# Altium PCB betrusted_evt2b.PcbDoc (part 5 of 6) (continued)
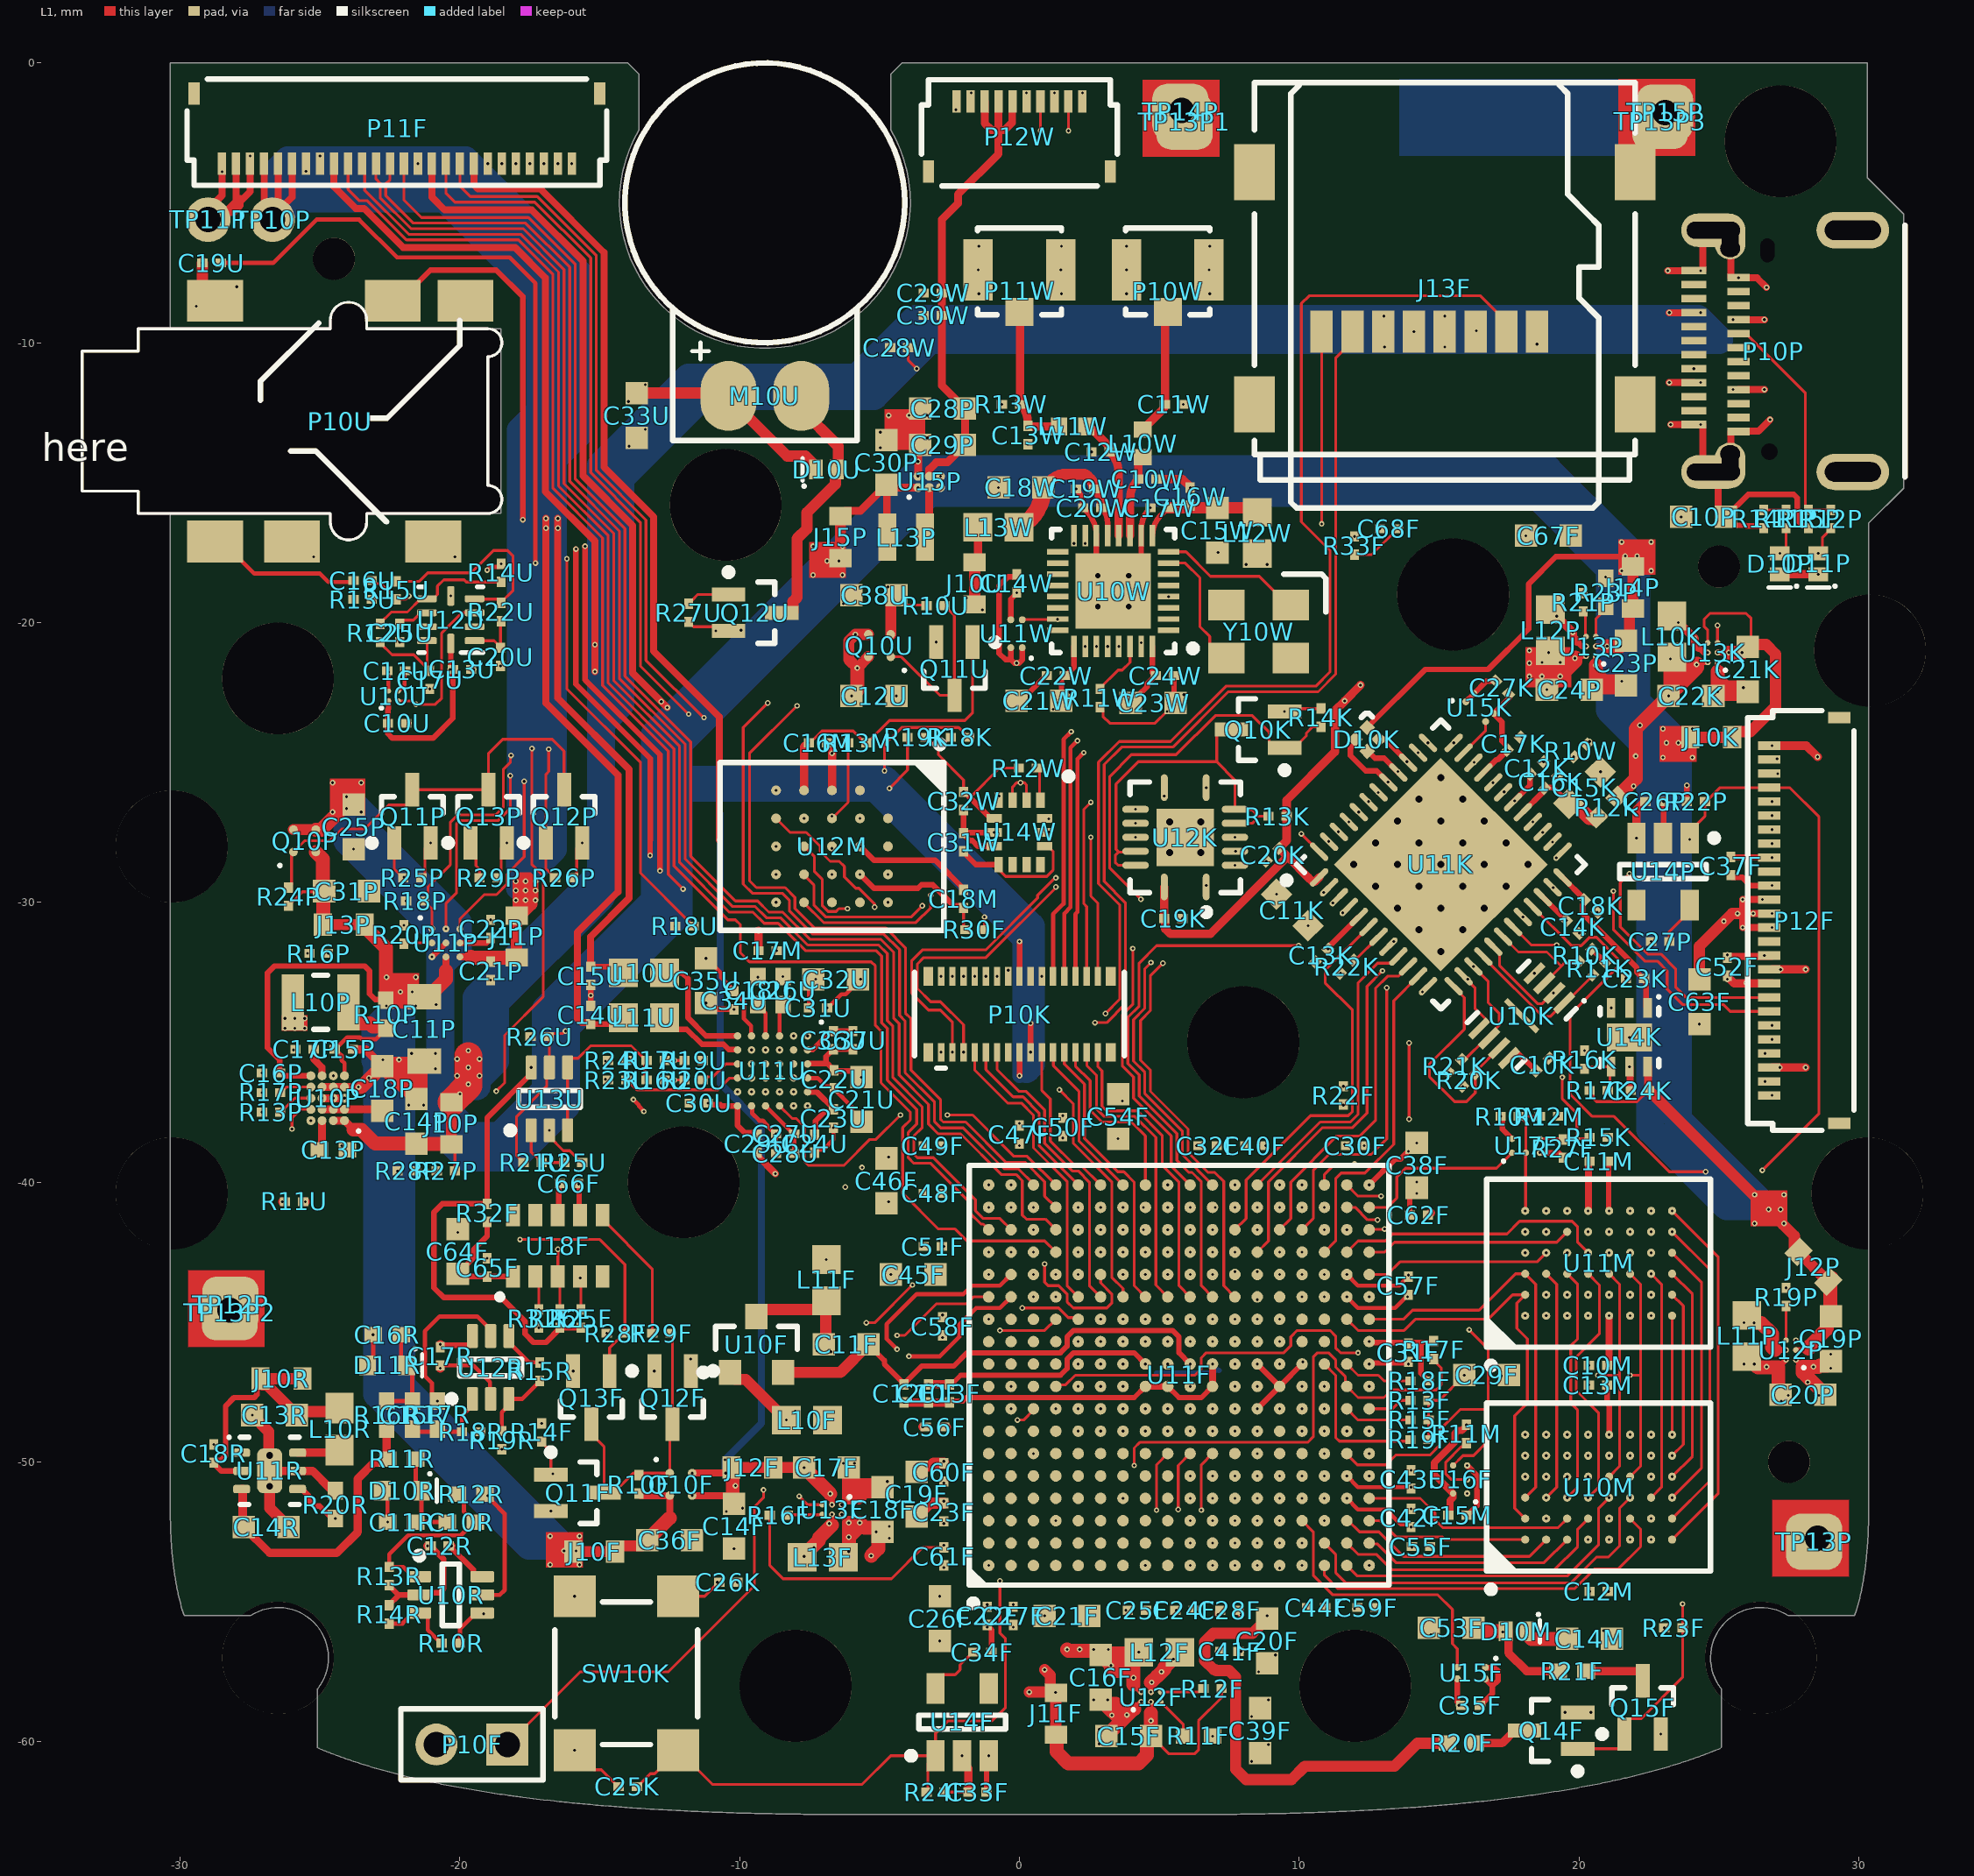
[diagram p0: L1 view]
## Nets (pads, with @x,y where several pads share a name; then routed paths per layer and width w, separated by ;. In a path a pad name is that pad's centre, name@x,y a point inside that pad or via, vN(x,y) a via of type N, cw(c..) or ccw(c..) an arc to the next point about the centre after c; other vN are vias at no path point) (continued)
  L1 w0.1: Q11P.1@-22.35,-27.875 -22.35,-28.8 -22.16,-28.99 -22.16,-29.015 -22.05,-29.125 R25P.1@-22.025,-29.125 ; J10P.1@-20.3,-38.65 -20.175,-38.775 R27P.2@-20.175,-39.6
  L1 w0.25: v2(23.225,-11.425) P10P.A4@24.1,-11.425 ; v2(23.225,-8.925) P10P.A9@24.1,-8.925 ; P10P.B9@25.7,-11.675 v2(26.625,-11.675) ; P10P.B4@25.7,-9.175 v2(26.625,-9.175) ; v1(26.9,-30.9) v1(25.85,-30.9) 25.85,-30.4 ; v1(26.9,-30.4) 25.85,-30.4 ; P12F.12@26.9,-29.9 v1(25.85,-29.9) 25.85,-30.4
  L1 w0.28: U10P.A2@-24.525,-37.8 U10P.A1@-24.125,-37.8 -23.8,-38.125
  L1 w0.4: C63F.1@24.3,-32.75 24.3,-31.575 25.475,-30.4 25.85,-30.4
  L1 w0.5: -23.8,-38.125 -23.525,-38.125 -23.025,-38.625 C14P.1@-21.55,-38.625 -21.538,-38.637 -20.313,-38.637 J10P.1@-20.3,-38.65
  L1 w1: J10P.1@-20.3,-37.15 -19.7,-36.55 v1(-19.7,-36.5) v2(-19.7,-35.9) -19.7,-35.5
  L2 w0.1: v1(-22,-29.1) -23.7,-30.8 -25.556,-30.8 -27.725,-32.969 -27.725,-37.204 -25.429,-39.5 -22.95,-39.5 -21.65,-38.2 -20.35,-38.2 -19.7,-37.55 v3(-19.7,-36.8) ; -19.375,-36.9 -19.375,-41.175 -17.3,-43.25 -16.65,-43.25 -15.375,-44.525 -13.55,-44.525 v1(-11.75,-46.325)
  L8 w1: -19.4,-36.575 v3@-19.4,-36.325 ; v3@-19.4,-36.325 -18.75,-35.675 -18.75,-33.6 -14.95,-29.8 -14.95,-28.95 ; v3@-19.4,-36.325 -19.4,-33.4 -14.95,-28.95 ; -14.95,-28.95 -14.95,-23.6 ; -14.95,-23.6 -14.95,-15.525 ; -14.95,-23.6 -14.263,-22.913 -14.263,-14.838 ; -14.95,-15.525 -14.263,-14.838 ; -14.95,-15.525 -14.95,-14.375 -11.825,-11.25 -10.675,-11.25 ; -14.263,-14.838 -11.325,-11.9 ; -11.325,-11.9 -10.675,-11.25 ; -11.325,-11.9 -5.2,-11.9 -3.2,-9.9 v3(23.8,-9.9) v3(24.4,-9.9) v3(25,-9.9) 24.25,-9.15 -3.7,-9.15 -5.8,-11.25 -10.675,-11.25
  other v1: -20,-36.85 -20.1,-36.2 -19.3,-36.2 -19.7,-35.9 -20.1,-35.6 -19.3,-35.6 -19.7,-35.3 25.175,-30.675 25.662,-30.4 26.225,-30.4 26.55,-29.9 23.65,-16.225 25.5,-11.675 26.625,-11.675 23.225,-11.425 24.35,-11.425 25.5,-9.175 26.625,-9.175 23.225,-8.925 24.35,-8.925
  other v2: -19.7,-36.8 -19.7,-35 -19.7,-34.1 25.85,-30.9 26.9,-30.4 25.075,-30.375 25.85,-29.9 23.65,-16.225 25.5,-11.675 24.35,-11.425 25.5,-9.175 24.35,-8.925
  other v3: -19.325,-36.375 -19.7,-35.9 -19.325,-35.45 -19.7,-35 -19.325,-34.55 -19.7,-34.1 23.5,-10.1 24.1,-10.1 24.7,-10.1 23.5,-9.7 24.1,-9.7 24.7,-9.7
VBUS_DIV: R27P.1 R28P.1 U11F.E12 | length 30.7
  L1 w0.1: R28P.1@-21.575,-39.6 v1(-21.2,-39.6) R27P.1@-20.825,-39.6 ; v1(-5.475,-45.025) -5.175,-45.025 v1(-3.825,-43.675) ; v1(0.1,-44.5) 1.402,-44.5 1.745,-44.843 2.043,-44.843 U11F.E12@2.1,-44.9
  L2 w0.1: v1(-21.2,-39.6) -21.2,-42.45 -20.075,-43.575 -16.75,-43.575 -15.375,-44.95 -14.525,-44.95 -13.4,-46.075 -12.85,-46.075 -12.05,-46.875 -10.675,-46.875 -8.675,-44.875 -7.4,-44.875 -7.25,-45.025 v1(-5.475,-45.025) ; v1(-3.825,-43.675) -3.475,-44.025 -0.375,-44.025 v1(0.1,-44.5)
VIBE_ON: Q12U.1 R27U.2 | length 1.6
  L1 w0.1: R27U.2@-11.825,-19.325 -11.825,-19.3 -11.715,-19.19 -11.69,-19.19 -11.5,-19 Q12U.1@-10.4,-19
VOCM: C25U.2 U12U.7 | length 1.2
  L1 w0.1: C25U.2@-22.15,-20.05 -22.15,-20.025 -22.04,-19.915 -21.665,-19.915 -21.4,-19.65 U12U.7@-21.175,-19.65
VSYS_T: C13R.1 C14F.1 C15F.1 C17F.1 C18R.2 J10R.1 J11F.1 J12F.1 L10R.1 P11F.19 Q10F.2 Q10F.3 R12F.2 U11R.2 U12F.B1 U13F.B1 | length 166.6
  L1 w0.1: C15F.1@4.7,-59.8 5.325,-60.425 6.275,-60.425 6.4,-60.3 6.4,-59.25 7.225,-58.425 R12F.2@7.225,-58.1
  L1 w0.2: U11R.2@-27.8,-50.32 -28.53,-50.32 -28.8,-50.05 C18R.2@-28.8,-50.025 -28.8,-50 -28.74,-49.94 -28.54,-49.94 -28.375,-49.775 -28.375,-48 -28.075,-47.7 -27.35,-47.7 -27.25,-47.6 -27.25,-47.125 J10R.1@-27.175,-47.05 ; v1(-6.7,-51.525) -6.7,-51.225 ; 4.7,-58.975 v1(4.7,-58.575)
  L1 w0.25: P11F.19@-19.5,-3.6 -19.5,-4.354 -19.354,-4.5 -17.125,-4.5 -14.85,-6.775 -14.85,-14.447 -13.075,-16.222 -13.075,-21.025 -10.725,-23.375 v3(-10.725,-27.775) ; v1(-11.7,-51.2) -10.5,-51.2 -10.25,-51.45 C14F.1@-10.2,-51.5 ; v1(-11.7,-50.4) v1(-10.5,-50.4) J12F.1@-10.3,-50.2
  L1 w0.4: J10R.1@-27.175,-47.05 -27.175,-47.125 -27.05,-47.25 -26.9,-47.25 C13R.1@-25.825,-48.325 -25.7,-48.2 -24.425,-48.2 L10R.1@-24.3,-48.075 ; J12F.1@-8.8,-50.2 v1(-7.7,-50.2) ; v2(0.35,-58.225) J11F.1@1.2,-58.225 ; v2(0.9,-57.425) 1.1,-57.625 1.1,-58.125 J11F.1@1.2,-58.225 ; J11F.1@1.2,-58.225 1.275,-58.225 v2(1.288,-58.237) J11F.1@1.3,-58.25 1.225,-58.25 J11F.1@1.2,-58.225
  L1 w0.5: J12F.1@-10.3,-50.2 -10.25,-50.25 C14F.1@-10.25,-51.45 ; v1(-7.7,-50.2) v1(-6.762,-51.138) ; J11F.1@1.3,-59.75 1.325,-59.775 1.325,-60.35 1.75,-60.775 4.257,-60.775 4.55,-60.482 4.55,-59.95 C15F.1@4.7,-59.8 v1(4.7,-59.725) v1(4.7,-59.25) 4.7,-58.975
  L2 w0.2: v1(-6.7,-51.525) -6.7,-51.225 ; 4.7,-58.975 v1(4.7,-58.575)
  L2 w0.5: v1(-7.7,-50.2) v1(-6.762,-51.138) -6.7,-51.2 -6.7,-51.225 ; v1@4.7,-59.8 v1(4.7,-59.725) v1(4.7,-59.25) 4.7,-58.975
  L7 w0.6: -8.05,-53.225 -7.025,-54.25 -6.15,-54.25 ; -7.988,-52.812 -6.9,-51.725 -4.6,-51.725 -3.9,-52.425 -3.9,-53.85 -4.788,-54.738
  L7 w0.8: v2(-25.85,-47.325) v2@-25.85,-47.175 ; v1(-11.7,-50.4) v2@-11.575,-50.525 ; v2(-10.475,-51.775) -10.15,-51.45 v2@-10.15,-51.075 ; -8.05,-53.225 -9.45,-51.825 -9.45,-51.775 ; -7.988,-52.812 -9.025,-51.775 ; -4.15,-56.25 -6.15,-54.25 -5.275,-54.25 -4.788,-54.738 -3.625,-55.9 -3.625,-57.15 -3.175,-57.6 ; -3.837,-56.938 -4.075,-56.7 -4.075,-57.475 -3.313,-58.237 -2.538,-58.237 ; v2(0.35,-58.225) v2@0.9,-57.675 ; 0.9,-57.85 v2(1.288,-58.237) -2.538,-58.237 ; v2(0.9,-57.425) 0.725,-57.6 -3.175,-57.6 ; v2@-25.85,-47.175 -22.5,-50.525 -20.375,-50.525 ; v2@-25.85,-47.175 v2(-25.4,-46.725) -25.3,-46.725 -22.1,-49.925 -20.1,-49.925 -19.5,-50.525 ; -20.375,-50.525 -19.5,-50.525 ; -20.375,-50.525 -19.9,-51 -19.025,-51 ; -19.5,-50.525 -19.025,-51 ; -19.5,-50.525 -17.625,-50.525 ; -19.025,-51 -18.1,-51 ; -18.1,-51 -17.375,-51 -16.9,-50.525 ; -18.1,-51 -17.625,-50.525 ; -17.625,-50.525 -16.9,-50.525 ; -17.625,-50.525 -16.95,-49.85 -10.6,-49.85 v2(-10.525,-49.925) -10.525,-50.275 ; -16.9,-50.525 v2@-11.575,-50.525 ; v2@-11.575,-50.525 -10.525,-50.525 ; v2@-11.575,-50.525 -10.4,-51.7 -10.325,-51.775 -9.45,-51.775 ; -10.525,-50.525 -10.475,-50.525 v2(-10.15,-50.85) v2@-10.15,-51.075 ; -10.525,-50.525 -10.525,-50.275 ; -10.525,-50.275 -9.025,-51.775 ; v2@-10.15,-51.075 -9.45,-51.775 ; -9.45,-51.775 -9.025,-51.775 ; -3.175,-57.6 -2.538,-58.237
  L8 w0.25: v3(-10.7,-26.825) -10.7,-36.475 -9.225,-37.95 -9.225,-48.625 v2(-10.525,-49.925) -10.525,-50.475 v2(-10.15,-50.85)
  other v1: 0.35,-58.225 1.288,-58.237 0.9,-57.425 -10.475,-51.775 -9.9,-51.65 -10.15,-50.85 -10.525,-49.925 -25.85,-47.325 -10.725,-27.775 -10.7,-26.825
  other v2: -11.7,-50.4 -10.725,-27.775 -10.7,-26.825
  other v3: -10.15,-50.85 -10.525,-49.925
VSYS_U: C19P.1 C21K.1 C23P.1 C24K.1 C25P.1 C30P.1 D10K.4 J10K.1 J12P.1 J14P.1 J15P.1 L13P.1 P10K.8 P10K.23 Q10P.2 Q10P.3 R17K.1 U12P.B1 U13K.B1 U13K.C2 U13P.B1 U14K.6 U15P.A1 U15P.C1 | length 283.7
  L1 w0.1: R17K.1@20.375,-36.725 20.4,-36.725 20.51,-36.835 20.51,-37.01 20.625,-37.125 22.075,-37.125 22.475,-36.725 C24K.1@22.48,-36.725 ; U13K.C2@24.6,-20.725 24.6,-20.275 24.475,-20.15 24.475,-19.875 24.675,-19.675 25.975,-19.675 26.15,-19.85 C21K.1@26.15,-20.75
  L1 w0.2: v1(0,-36.2) P10K.8@0,-35.355 ; P10K.23@0,-32.645 v2(0,-31.4) ; D10K.4@12.425,-23.751 14.501,-21.675 16.75,-21.675 18.2,-20.225 18.2,-18.625 19.175,-17.65 21.775,-17.65 ; v1(20.6,-20.85) v1(21,-20.85) ; v1(21.475,-20.85) C23P.1@21.675,-20.65 ; v1(24.95,-21.075) v1(25.35,-21.075) ; v1(25.825,-21.075) C21K.1@26.025,-20.875 ; U12P.B1@27.75,-46 28.15,-46 28.2,-45.95
  L1 w0.28: J15P.1@-6.4,-16.2 -6.215,-16.015 -5.69,-16.015 C30P.1@-4.75,-15.075 C30P.1@-4.737,-15.088 ; L13P.1@-4.725,-16.95 -4.737,-16.937 C30P.1@-4.737,-15.088 ; v1(-3.625,-15.175) -4.65,-15.175 C30P.1@-4.737,-15.088 ; U14K.6@22.45,-35.875 22.46,-35.885 22.46,-36.705 22.48,-36.725 C24K.1@22.5,-36.725
  L1 w0.4: Q10P.2@-25.95,-27.4 Q10P.3@-25.15,-27.4 ; C23P.1@21.675,-20.65 21.8,-20.525 21.8,-19.625 J14P.1@21.925,-19.5 ; C24K.1@22.5,-36.725 27.288,-41.512 27.7,-41.925 27.7,-42.325 27.745,-42.37 J12P.1@27.97,-42.37 ; J10K.1@23.725,-24.025 J10K.1@23.813,-23.938 ; J10K.1@25.475,-24.1 25.475,-24.025 25.6,-23.9 26.125,-23.9 27.025,-23 27.025,-21.125 26.688,-20.787 C21K.1@26.113,-20.787 ; C21K.1@26.15,-20.75 C21K.1@26.113,-20.787 ; C21K.1@26.113,-20.787 C21K.1@26.025,-20.875 C21K.1@26.112,-20.787
  L1 w0.5: Q10P.3@-25.15,-27.4 -24.95,-27.4 -24.05,-26.5 C25P.1@-23.8,-26.5 ; v1(21,-20.85) v1(21.475,-20.85) ; v1(25.35,-21.075) v1(25.825,-21.075) ; 28.2,-45.95 28.25,-45.9 28.25,-45.855 28.85,-45.255 28.85,-44.95 C19P.1@29,-44.8 28.977,-44.777 28.977,-43.483 J12P.1@29.03,-43.43
  L2 w0.1: v1(-3.625,-15.175) v1(-2.825,-15.175)
  L2 w0.2: v1(20.6,-20.85) v1(21,-20.85) ; v1(24.95,-21.075) v1(25.35,-21.075)
  L2 w0.5: v1(21,-20.85) v1(21.475,-20.85) ; v1(25.35,-21.075) v1(25.825,-21.075)
  L7 w0.3: v1(0,-36.2) v3(0.5,-36.2)
  L7 w0.4: v2(0,-31.4) v3(0.5,-31.4)
  L8 w0.5: -13.025,-26.15 -12.175,-26.15 -5.25,-26.15 v2(0,-31.4) v1(0,-36.2)
  L8 w1: 0.25,-35.95 0.4,-35.8 0.4,-30.85 -4.825,-25.625 -12.175,-25.625 ; v3@-24.025,-26.3 -23.85,-26.475 -23.275,-27.05 -23.275,-27.525 -20.075,-30.725 -20.075,-31.6 -20.7,-32.225 ; v3@-24.025,-26.3 -24.025,-26.675 -24.025,-27.8 -20.7,-31.125 -20.7,-32.225 ; v3@-24.025,-26.3 -24.05,-26.275 v3(-24.05,-26.25) -24.025,-26.275 v3@-24.025,-26.3 ; -20.7,-37.225 -20.7,-32.225 ; -20.7,-37.225 -20.7,-38.175 -19.75,-39.125 -18.05,-39.125 -16.2,-37.275 -16.2,-34.45 -12.175,-30.425 -12.175,-26.15 -12.175,-25.625 ; -20.7,-37.225 -19.575,-38.35 -18.575,-38.35 -16.925,-36.7 -16.925,-33.825 -13.025,-29.925 -13.025,-26.15 -13.025,-23.975 -7,-17.95 -7,-17.875 -6.925,-17.8 v3(-6.85,-17.8) -6.825,-17.8 -3.55,-14.525 18.875,-14.525 v3(21.5,-17.15) 21.975,-17.625 v3(22.05,-17.625) 22.05,-22.825 23.375,-24.15 23.375,-24.225 23.45,-24.3 v3(23.525,-24.3) 23.525,-37.75 26.638,-40.862 25.288,-40.862 22.55,-38.125 22.55,-24.575 21.1,-23.125 21.1,-18.075 18.4,-15.375 -3.225,-15.375 -12.175,-24.325 -12.175,-25.625
  other v1: 26.275,-41.475 27.325,-41.475 26.775,-40.975 27.2,-40.975 26.275,-40.45 27.325,-40.45 0,-31.4 -24.55,-26.775 -23.525,-26.775 -24.05,-26.65 -24.05,-26.225 -24.55,-25.725 -23.525,-25.725 23,-24.825 24.05,-24.825 23.125,-24.3 23.55,-24.3 23,-23.8 24.05,-23.8 -7.375,-18.3 -6.325,-18.3 21.525,-18.15 22.575,-18.15 -6.875,-17.8 -6.45,-17.8 21.65,-17.625 22.075,-17.625 -7.375,-17.275 -6.325,-17.275 21.525,-17.125 22.575,-17.125
  other v2: 26.975,-41.55 26.275,-40.975 26.975,-40.425 0,-36.2 -24.625,-26.425 -23.5,-26.425 -24.05,-25.725 23.35,-24.85 24.05,-24.3 23.35,-23.725 -6.675,-18.375 21.875,-18.175 -7.375,-17.8 22.575,-17.625 -6.675,-17.25 21.875,-17.05
  other v3: 26.275,-41.45 27.35,-41.45 26.8,-40.975 27.225,-40.975 26.275,-40.45 27.35,-40.45 0,-36.2 0,-31.4 -24.525,-26.8 -23.525,-26.8 -24.05,-26.675 -24.525,-25.725 -23.525,-25.725 22.975,-24.825 24.05,-24.825 23.1,-24.3 22.975,-23.825 24.05,-23.825 -7.375,-18.275 -6.3,-18.275 21.5,-18.15 22.575,-18.15 -6.425,-17.8 21.625,-17.625 -7.375,-17.275 -6.3,-17.275 22.575,-17.15
WIFI_CS: U10W.31 U11K.28 | length 17.4
  L2 w0.1: v1(4.35,-20.725) 12.725,-20.725 14.4,-22.4 14.9,-22.4 17.025,-24.525 17.025,-24.975 18.16,-26.11 18.16,-26.935 v1(18.35,-27.125)
WIFI_LPCLK: U10W.23 U11F.N15 U11K.37 U11W.2 | length 39.3
  L1 w0.1: U11W.2@0.1,-19.9 0.112,-19.888 1.357,-19.888 v1(1.364,-19.881) U10W.23@1.37,-19.875 ; U11F.N15@8.5,-42.5 8.9,-42.1 8.9,-39.983 10.833,-38.05 11.908,-38.05 12.425,-37.533 12.425,-33 v1(12.975,-32.45)
  L2 w0.1: v1(1.364,-19.881) 1.364,-20.764 2.775,-22.175 9.075,-22.175 10.2,-23.3 11.705,-23.3 11.905,-23.1 13.375,-23.1 v1@14.6,-24.325 ; v1(12.975,-32.45) 12.975,-32.2 12.925,-32.15 12.925,-29.975 15.575,-27.325 15.575,-26.8 14.55,-25.775 14.55,-25.05 14.6,-25 v1@14.6,-24.325 ; v1(14.6,-24.3) v1@14.6,-24.325
WIFI_MISO: U10W.28 U11K.32 | length 16.2
  L2 w0.1: v1(3.15,-20.855) 3.57,-21.275 12.675,-21.275 14.3,-22.9 14.8,-22.9 16.575,-24.675 16.575,-25.375 v1(16.925,-25.725)
WIFI_MOSI: U10W.27 U11K.34 | length 15.4
  L2 w0.1: v1(2.75,-20.855) 3.37,-21.475 12.592,-21.475 14.267,-23.15 14.75,-23.15 16.25,-24.65 v1(16.25,-25)
WIFI_PA: C18W.1 C19W.1 C20W.1 L13W.1 U10W.13 | length 6
  L1 w0.2: C20W.1@2.925,-15.829 C20W.1@2.925,-15.9 cw(c2.382,-16.443) 3.15,-16.443 U10W.13@3.15,-16.895
  L1 w0.3: C19W.1@2.675,-15.225 cw(c2.071,-15.829) C20W.1@2.925,-15.829
  L1 w0.4: L13W.1@-0.065,-16.75 L13W.1@0.383,-16.302 ; C18W.1@0.85,-15.175 1.06,-14.965 cw(c1.7,-15.605) 1.7,-14.7 2.244,-14.7 cw(c2.244,-14.956) 2.425,-14.775 2.534,-14.884 cw(c2.192,-15.225) C19W.1@2.675,-15.225
  L1 w0.6: L13W.1@0.383,-16.302 ccw(c-0.743,-15.175) C18W.1@0.85,-15.175
WIFI_PA_ENABLE: U10W.4 U11K.27 | length 19.2
  L2 w0.1: v1(5.33,-19.075) 6.58,-20.325 12.65,-20.325 14.5,-22.175 15.25,-22.175 16.675,-23.6 18.125,-23.6 18.425,-23.9 18.425,-24.25 17.95,-24.725 17.95,-25.425 18.7,-26.175 v1(18.7,-27.5)
WIFI_RES_N: R10W.2 U10W.15 U11K.26 | length 24
  L2 w0.1: v1(2.35,-17.175) 4.15,-17.175 6.775,-19.8 12.45,-19.8 14.575,-21.925 15.3,-21.925 16.75,-23.375 18.375,-23.375 v1(19.8,-24.8) 19.8,-27.1 v1(19.05,-27.85)
WIFI_RF: C15W.1 C16W.1 C17W.1 L12W.1 U10W.9 | length 4.4
  L1 w0.2: U10W.9@4.75,-16.895 cw(c5.764,-16.895) 5.047,-16.178 C17W.1@5.325,-15.9
  L1 w0.4: C17W.1@5.325,-15.9 7.1,-15.9 8.102,-15.9 cw(c8.102,-16.463) L12W.1@8.5,-16.065
WIFI_RF1: C10W.1 L10W.1 U10W.11 | length 2.9
  L1 w0.298: U10W.11@3.95,-16.895 3.95,-15.599 cw(c4.974,-15.599) C10W.1@4.25,-14.875 4.25,-14.452 cw(c4.762,-14.452) L10W.1@4.4,-14.09
WIFI_RF1L: C11W.1 L10W.2 P10W.SIG | length 4.6
  L1 w0.298: L10W.2@4.4,-13.11 5.122,-12.388 ccw(c4.934,-12.2) C11W.1@5.2,-12.2 5.2,-9 P10W.SIG@5.3,-8.9
WIFI_RF2: C12W.1 L11W.1 U10W.12 | length 4.4
  L1 w0.298: L11W.1@2.39,-13 2.5,-13 3.242,-13.742 C12W.1@3.242,-13.882 ; C12W.1@3.225,-13.9 cw(c2.44,-14.685) 3.55,-14.685 U10W.12@3.55,-16.895
WIFI_RF2L: C13W.1 L11W.2 P11W.SIG R13W.1 | length 5.3
  L1 w0.298: P11W.SIG@0,-8.9 0.025,-8.925 R13W.1@0.025,-12.2 cw(c-0.639,-12.864) 0.3,-12.864 C13W.1@0.3,-12.975 ccw(c0.36,-12.915) 0.36,-13 L11W.2@1.41,-13
WIFI_SCLK: U10W.26 U11K.36 | length 14.7
  L2 w0.1: v1(2.35,-20.855) 3.42,-21.925 8.225,-21.925 8.4,-21.75 12.5,-21.75 15.05,-24.3 v1(15.525,-24.3)
WIFI_WIRQ: U10W.29 U11K.31 | length 16.5
  L2 w0.1: v1(3.55,-20.855) 3.77,-21.075 12.775,-21.075 14.325,-22.625 14.825,-22.625 16.825,-24.625 16.825,-25.225 17.325,-25.725 v1(17.325,-26.05)
WIFI_WUP: U10W.16 U11K.38 | length 19.2
  L2 w0.1: v1(1.95,-17.175) 1.95,-18.45 0.975,-19.425 0.975,-20.875 2.775,-22.675 3.75,-22.675 4.675,-23.6 11.775,-23.6 12.075,-23.3 12.9,-23.3 13.2,-23.6 v1(14.25,-24.65)
XADC_GND: C10F.2 C11F.2 C12F.2 C13F.2 C69F.2 C70F.2 L11F.2 U10F.3 U11F.H9 U11F.J9 U11F.L9 U11F.L10 | length 23.3
  L1 w0.19: C13F.2@-2.5,-47.875 -2.45,-47.825 -2.025,-47.825 -1.9,-47.7 4.1,-47.7 U11F.H9@4.5,-47.3 ; U11F.J9@5.3,-47.3 5.7,-47.7 6.5,-47.7 U11F.L9@6.9,-47.3
  L1 w0.25: U11F.H9@4.5,-47.3 U11F.J9@5.3,-47.3 ; U11F.L9@6.9,-47.3 v1(6.9,-46.5)
  L1 w0.3: v1(-4.125,-47.875) C10F.2@-3.25,-47.875 C13F.2@-2.5,-47.875
  L1 w0.4: U10F.3@-9.4,-44.8 -9.4,-44.75 -9.2,-44.55 -7.21,-44.55 L11F.2@-7,-44.34 ; C11F.2@-6.925,-45.725 -6.925,-44.415 L11F.2@-7,-44.34 ; L11F.2@-6.9,-44.235 -6.9,-44.24 L11F.2@-7,-44.34
  L2 w0.2: v1(6.9,-46.5) v2(7.3,-46.9)
  L2 w0.3: v1(-7.225,-46.025) -6.775,-46.025 v1(-6.738,-46.062) -5.825,-46.975 -5.025,-46.975 v1(-4.125,-47.875)
  L8 w0.19: C69F.2@4.9,-46.825 6.907,-46.825 7.02,-46.712 7.112,-46.712 C70F.2@7.13,-46.73
  other v3: 7.2,-46.8
XADC_VDD: C10F.1 C13F.1 C69F.1 L10F.2 U10F.1 U11F.H10 | length 17.9
  L1 w0.19: -2.335,-47.135 -2.1,-46.9 1.466,-46.9 1.7,-46.666 1.7,-46.325 1.925,-46.1 3.066,-46.1 4.1,-46.1 v1(4.5,-46.5)
  L1 w0.3: L10F.2@-8.335,-48.5 v1(-8.332,-48.5) L10F.2@-8.33,-48.5 ; v1(-3.25,-47.225) C13F.1@-2.5,-47.225
  L1 w0.4: U10F.1@-10.35,-46.8 -10.35,-46.85 -10.15,-47.05 -9.79,-47.05 -8.34,-48.5 L10F.2@-8.335,-48.5
  L2 w0.2: v1(4.5,-46.5) v2(4.9,-46.1)
  L2 w0.3: v1(-8.332,-48.5) -7.707,-47.875 -6.125,-47.875 -5.6,-48.4 -4.075,-48.4 -3.25,-47.575 v1(-3.25,-47.225)
  other v1: -8.02,-48.187
  other v3: 4.9,-46.175
XADC_VREF: C11F.1 C12F.1 C70F.1 U10F.2 U11F.K10 | length 18
  L1 w0.19: v1(-5.4,-45.8) -4.826,-46.374 -4.826,-46.499 C12F.1@-4.125,-47.2 ; C12F.1@-4.125,-47.225 C12F.1@-4.125,-47.2 ; v1(6.1,-46.5) 5.7,-46.1 5.7,-45.525 5.475,-45.3 1.925,-45.3 1.7,-45.525 1.7,-45.866 1.466,-46.1 1.134,-46.1 -0.2,-46.1 -1.875,-46.1 -2.35,-46.575 -3.5,-46.575 C12F.1@-4.125,-47.2
  L1 w0.4: U10F.2@-8.45,-46.8 -6.4,-46.8 v1(-5.4,-45.8)
  L2 w0.2: v1(6.1,-46.5) v2(6.5,-46.1)
  other v3: 6.6,-46.2
pads on no net: J13F.0@8.4,-3.9 J13F.0@8.4,-12.2 J13F.0@22,-12.2 P10K.0 P10K.7 P10K.24 P10P.A2 P10P.A3 P10P.A6 P10P.A7 P10P.A8 P10P.A10 P10P.A11 P10P.B2 P10P.B3 P10P.B6 P10P.B7 P10P.B8 P10P.B10 P10P.B11 P10P.P P10U.5 P11F.0 P12F.0 P12F.10 P12F.15 P12W.0 U10K.9 U10W.1 U10W.2 U10W.3 U10W.5 U10W.6 U10W.17 U10W.18 U10W.19 U10W.20 U10W.21 U10W.22 U10W.24 U11F.A2 U11F.A3 U11F.A4 U11F.A5 U11F.A6 U11F.A7 U11F.A8 U11F.A9 U11F.A10 U11F.A11 U11F.B1 U11F.B2 U11F.B3 U11F.B4 U11F.B5 U11F.B6 U11F.B7 U11F.B10 U11F.B11 U11F.B12 U11F.C1 U11F.C2 U11F.C3 U11F.C4 U11F.C5 U11F.C7 U11F.C9 U11F.C10 U11F.C11 U11F.C12 U11F.D1 U11F.D2 U11F.D4 U11F.D5 U11F.D6 U11F.D7 U11F.D10 U11F.D11 U11F.E1 U11F.E2 U11F.E3 U11F.E4 U11F.E5 U11F.E6 U11F.F1 U11F.F2 U11F.F3 U11F.F4 U11F.F5 U11F.F6 U11F.G1 U11F.G2 U11F.G3 U11F.G5 U11F.G6 U11F.H2 U11F.H3 U11F.H4 U11F.H5 U11F.H6 U11F.J1 U11F.J2 U11F.J3 U11F.J4 U11F.J5 U11F.M6 U11F.P6 U11F.P7 U11F.P13 U11F.R6 U11F.R11 U11F.R12 U11F.T11 U11F.T12 U11F.U11 U11R.0 U11U.B2 U11U.B3 U11U.C3 U11U.D3 U12M.A2 U12M.A3 U12M.B1 U12M.B5 U12M.C5 U12U.2 U12U.8 U14F.4 U14K.2 U14P.4 U14W.9 U14W.10 U14W.11 U18F.5 U18F.9 U18F.10 Y10W.2 Y10W.4

## Polygon pours and split planes (outlines as drawn)
VBUS on L7 "VBUS_L05_P002" (solid, remove dead copper, pour order 2): 22.455,-16.33 23.25,-17.125 23.25,-22.45 24.865,-24.065 24.865,-30.615 25.8,-31.55 26.8,-31.55 27.925,-30.425 27.925,-14.31
VBUS on L7 "VBUS_L05_P000" (solid, remove dead copper, pour order 0): 28.425,-9.6 28.425,-15.808 27.508,-16.725 22.85,-16.725 22.218,-16.093 22.218,-8.907 22.725,-8.4 27.225,-8.4
GND on L3 (split plane): 1028 vertices, not listed, extent -30.1,-62.348 31.348,-0.252
P1.8V_T on L6 (split plane): 920 vertices, not listed, extent -30.1,-62.348 31.348,-0.252
P3.3V_A on L6 (split plane): 19.573,-9.517 19.573,-17.673 13.542,-17.673 10.822,-14.953 10.789,-14.931 10.75,-14.923 -2.375,-14.923 -2.414,-14.931 -2.447,-14.953 -5.322,-17.828 -5.344,-17.861 -5.352,-17.9 -5.352,-19.8 -5.344,-19.839 -5.322,-19.872 -4.797,-20.397 -4.764,-20.419 -4.725,-20.427 -4.277,-20.427 -4.277,-21.758 -5.742,-23.223 -7.35,-23.223 -7.389,-23.231 -7.422,-23.253 -10.497,-26.328 -10.519,-26.361 -10.527,-26.4 -10.527,-33.2 -10.519,-33.239 -10.497,-33.272 -9.578,-34.192 -9.578,-38.174 -9.57,-38.213 -9.548,-38.246 -8.972,-38.822 -8.939,-38.844 -8.9,-38.852 -8.55,-38.852 -8.511,-38.844 -8.478,-38.822 -7.278,-37.622 -7.256,-37.589 -7.248,-37.55 -7.248,-34.942 -6.458,-34.152 -5.642,-34.152 -5.227,-34.567 -5.227,-36.875 -5.219,-36.914 -5.197,-36.947 -4.847,-37.297 -4.814,-37.319 -4.775,-37.327 1.733,-37.327 2.298,-37.892 2.298,-38.65 2.306,-38.689 2.328,-38.722 2.928,-39.322 2.961,-39.344 3,-39.352 5.383,-39.352 5.723,-39.692 5.723,-41.483 5.078,-42.128 4.458,-42.748 0.625,-42.748 0.586,-42.756 0.553,-42.778 -0.692,-44.023 -13.833,-44.023 -16.248,-41.608 -16.248,-37.7 -16.256,-37.661 -16.278,-37.628 -17.428,-36.478 -17.461,-36.456 -17.5,-36.448 -17.683,-36.448 -17.998,-36.133 -17.998,-35.492 -17.808,-35.302 -16.375,-35.302 -16.336,-35.294 -16.303,-35.272 -15.828,-34.797 -15.806,-34.764 -15.798,-34.725 -15.798,-21.042 -7.333,-12.577 9,-12.577 9.039,-12.569 9.072,-12.547 9.847,-11.772 9.869,-11.739 9.877,-11.7 9.877,-9.467 11.167,-8.177 18.233,-8.177
P1.8V on L6 (split plane): 296 vertices, not listed, extent -5.556,-61.715 30.098,-17.652
P0.95V_T on L6 (split plane): 9.198,-45.117 9.198,-45.6 9.206,-45.639 9.228,-45.672 9.328,-45.772 9.361,-45.794 9.4,-45.802 9.858,-45.802 9.998,-45.942 9.998,-46.258 9.578,-46.678 9.556,-46.711 9.548,-46.75 9.548,-49.133 9.058,-49.623 8.65,-49.623 8.611,-49.631 8.578,-49.653 6.378,-51.853 6.356,-51.886 6.348,-51.925 6.348,-52.4 6.356,-52.439 6.378,-52.472 6.503,-52.597 6.536,-52.619 6.575,-52.627 7.058,-52.627 7.173,-52.742 7.173,-53 7.181,-53.039 7.203,-53.072 9.148,-55.017 9.148,-55.558 8.458,-56.248 7.025,-56.248 6.986,-56.256 6.953,-56.278 6.328,-56.903 6.306,-56.936 6.298,-56.975 6.298,-57.358 5.633,-58.023 2,-58.023 1.961,-58.031 1.928,-58.053 1.408,-58.573 0.158,-58.573 -0.362,-58.053 -0.395,-58.031 -0.434,-58.023 -1.808,-58.023 -3.223,-56.608 -3.223,-50.067 -2.858,-49.702 0.5,-49.702 0.539,-49.694 0.572,-49.672 1.372,-48.872 1.394,-48.839 1.402,-48.8 1.402,-45.192 1.617,-44.977 9.058,-44.977
P3.3V on L6 (split plane): 13.428,-17.847 13.461,-17.869 13.5,-17.877 22.108,-17.877 22.623,-18.392 22.623,-22.033 21.458,-23.198 11.117,-23.198 9.452,-21.533 9.452,-17.85 9.444,-17.811 9.422,-17.778 9.122,-17.478 9.089,-17.456 9.05,-17.448 -0.125,-17.448 -0.164,-17.456 -0.197,-17.478 -0.772,-18.053 -0.794,-18.086 -0.802,-18.125 -0.802,-19.333 -1.692,-20.223 -4.683,-20.223 -5.148,-19.758 -5.148,-17.942 -2.333,-15.127 10.708,-15.127

## Other copper
L1:
  rectangle net GND: 21.4,-3.325 24.15,-0.575
  rectangle net GND: -29.725,-45.9 -26.975,-43.15
  rectangle net GND: 4.4,-3.35 7.15,-0.6
  rectangle net GND: 26.9,-54.1 29.65,-51.35
  rectangle net P3.3V: 18.075,-22.325 19.725,-20.875
  rectangle net CHG_SW: -26.375,-34.6 -25.45,-34.025
  region net VBAT: -21.45,-32.525 -22.775,-32.525 -22.775,-33.8 -21.45,-33.8
  region net VBAT: -15.6,-52.5 -16.925,-52.5 -16.925,-53.775 -15.6,-53.775
  region net VSYS_U: -6.2,-17.125 -7.525,-17.125 -7.525,-18.4 -6.2,-18.4
  region net VSYS_U: 27.45,-40.3 26.125,-40.3 26.125,-41.575 27.45,-41.575
  region net VSYS_U: -23.375,-26.9 -23.375,-25.575 -24.65,-25.575 -24.65,-26.9
  rectangle net VSYS_U: 22.875,-24.975 24.2,-23.7
  rectangle net VSYS_U: 21.4,-18.3 22.725,-17.025
  rectangle net GND: -4.825,-13.825 -3.375,-12.375
L2:
  rectangle net VBUS: 24.875,-31.15 27.15,-29.775
  rectangle net VSYS_T: -11.9,-52.025 -9.775,-49.675
  region net VBAT: -21.475,-32.575 -22.75,-32.575 -22.75,-33.8 -21.475,-33.8
  region net VBAT: -15.625,-52.55 -16.9,-52.55 -16.9,-53.775 -15.625,-53.775
  region net VSYS_U: -6.225,-17.175 -7.5,-17.175 -7.5,-18.4 -6.225,-18.4
  region net VSYS_U: 27.425,-40.35 26.15,-40.35 26.15,-41.575 27.425,-41.575
  region net VSYS_U: -23.425,-26.875 -23.425,-25.6 -24.65,-25.6 -24.65,-26.875
  rectangle net VSYS_U: 22.9,-24.925 24.175,-23.7
  rectangle net VSYS_U: 21.425,-18.25 22.7,-17.025
  rectangle net VBUS: -20.2,-37.1 -19.2,-33.7
  rectangle net PACK_P: -19.5,-30.15 -17.125,-28.775
  rectangle net GND: -5.125,-14.375 -3.15,-12.4
  rectangle net P3.3V: 18.025,-22.325 19.875,-20.85
  rectangle net GND: 20.25,-23.05 21.975,-21.425
  rectangle net GND: 24.55,-23.25 26.175,-21.65
  rectangle net GND: 27.65,-47.275 29.45,-45.225
  rectangle net P1.8V: 25.725,-48.275 27.325,-46.375
  rectangle net P0.95V_T: 1.45,-57.875 4.275,-56.475
  rectangle net GND: 1.7,-60.375 4.3,-58.45
  rectangle net GND: -6.225,-51.4 -4.475,-49.8
  rectangle net P1.8V_T: -6.35,-53.65 -4.4,-51.9
  rectangle net GND: -23.225,-37.425 -20.725,-35.2
L7:
  rectangle net VBUS: -20.2,-37.1 -19.2,-33.7
  region net VBAT: -21.45,-32.55 -22.75,-32.55 -22.75,-33.8 -21.45,-33.8
  region net VBAT: -15.6,-52.525 -16.9,-52.525 -16.9,-53.775 -15.6,-53.775
  region net VSYS_U: -6.2,-17.15 -7.5,-17.15 -7.5,-18.4 -6.2,-18.4
  region net VSYS_U: 27.45,-40.325 26.15,-40.325 26.15,-41.575 27.45,-41.575
  region net VSYS_U: -23.4,-26.9 -23.4,-25.6 -24.65,-25.6 -24.65,-26.9
  rectangle net VSYS_U: 22.875,-24.95 24.175,-23.7
  rectangle net VSYS_U: 21.4,-18.275 22.7,-17.025
  rectangle net PACK_P: -19.525,-30.15 -16.9,-28.425
L8:
  rectangle net GND: 13.575,-3.325 21.45,-0.575
  rectangle net GND: 21.4,-3.325 24.15,-0.575
  rectangle net GND: -29.725,-45.9 -26.975,-43.15
  rectangle net GND: 4.4,-3.35 7.15,-0.6
  rectangle net GND: 26.9,-54.1 29.65,-51.35
  region net VBAT: -21.45,-32.575 -22.75,-32.575 -22.75,-33.775 -21.45,-33.775
  region net VBAT: -15.6,-52.55 -16.9,-52.55 -16.9,-53.75 -15.6,-53.75
  region net VSYS_U: -6.2,-17.175 -7.5,-17.175 -7.5,-18.375 -6.2,-18.375
  region net VSYS_U: 27.45,-40.35 26.15,-40.35 26.15,-41.55 27.45,-41.55
  region net VSYS_U: -23.425,-26.9 -23.425,-25.6 -24.625,-25.6 -24.625,-26.9
  rectangle net VSYS_U: 22.875,-24.925 24.175,-23.725
  rectangle net VSYS_U: 21.4,-18.25 22.7,-17.05
L6 (plane layer: these items are gaps in the copper):
  lines w0.2: -4.175,-20.35 -4.175,-21.8 -5.7,-23.325 ; -0.372,-58.187 -0.434,-58.125 ; 2.342,-58.125 2,-58.125 ; 17.761,-61.983 17.761,-52.936 15.25,-50.425 15.25,-48.425 17.05,-46.625 17.05,-40.3 17.05,-38.2 11.907,-33.057 11.282,-33.057 10.967,-32.742 10.967,-32.117 8.775,-29.925 0.9,-29.925 -0.381,-28.644 -2.131,-28.644 -2.483,-28.292 -2.483,-26.542 -5.7,-23.325 ; 19.675,-17.75 19.675,-9.475 18.275,-8.075 11.125,-8.075 9.775,-9.425 9.775,-11.7 9,-12.475 -7.375,-12.475 -15.9,-21 -15.9,-34.725 -16.375,-35.2 -17.85,-35.2 -18.1,-35.45 -18.1,-36.175 -17.725,-36.55 -17.5,-36.55 -16.35,-37.7 -16.35,-41.65 -13.875,-44.125 -7.85,-44.125 -1.875,-44.125 -0.65,-44.125 0.625,-42.85 2.425,-42.85 4.5,-42.85 5.15,-42.2 5.825,-41.525 5.825,-39.65 5.425,-39.25 3,-39.25 2.4,-38.65 2.4,-37.85 1.775,-37.225 -4.775,-37.225 -5.125,-36.875 -5.125,-34.525 -5.6,-34.05 -6.5,-34.05 -7.35,-34.9 -7.35,-37.55 -8.55,-38.75 -8.9,-38.75 -9.476,-38.174 -9.476,-34.149 -10.425,-33.2 -10.425,-26.4 -7.35,-23.325 -6.225,-23.325 -5.7,-23.325 ; 30.275,-22.075 22.725,-22.075 ; -0.434,-58.125 -1.85,-58.125 -3.325,-56.65 -3.325,-50.025 -2.9,-49.6 -1.375,-49.6 0.5,-49.6 1.3,-48.8 1.3,-45.15 1.575,-44.875 9.1,-44.875 9.3,-45.075 9.3,-45.6 9.4,-45.7 9.9,-45.7 10.1,-45.9 10.1,-46.3 9.65,-46.75 9.65,-49.175 9.1,-49.725 8.65,-49.725 6.45,-51.925 6.45,-52.4 6.575,-52.525 7.1,-52.525 7.275,-52.7 7.275,-53 9.25,-54.975 9.25,-55.6 8.5,-56.35 7.025,-56.35 6.4,-56.975 6.4,-57.4 5.675,-58.125 3.125,-58.125 2,-58.125 ; -0.434,-58.125 0.116,-58.675 1.45,-58.675 2,-58.125 ; 22.725,-22.075 22.725,-18.35 22.15,-17.775 13.5,-17.775 10.75,-15.025 -2.375,-15.025 -5.25,-17.9 -5.25,-19.8 -4.725,-20.325 -1.65,-20.325 -0.7,-19.375 -0.7,-18.125 -0.125,-17.55 9.05,-17.55 9.35,-17.85 9.35,-21.575 11.075,-23.3 15.1,-23.3 18.35,-23.3 21.5,-23.3 22.725,-22.075

## Silkscreen, mask and mechanical layers (free items; w line width, h text height)
TopOverlay:
  lines w0.2: -27.125,-12.05 -27.125,-11.375 -25.05,-9.3 ; -26.05,-13.875 -25.15,-13.875 -22.625,-16.4 ; -23.2,-12.7 -22.6,-12.7 -20,-10.1 -20,-9.2
  text "Need to adjust mounting holes here" at -56.375,-14.225 h1
BottomOverlay:
  text "CERN OHL 1.2" at -9.313,-29.598 h1.8
  text "Betrusted Mainboard" at -4.068,-32.83 h2.5
  text "bunnie" at -20,-34.75 h1.8
  text "07/19" at -11.625,-34.75 h1.8
  text "EVT2B" at -4.068,-34.73 h1.8
  text "https://github.com/betrusted-io" at -5,-36.375 h1.5
TopSolder:
  rectangle: 21.4,-3.325 24.15,-0.575
  rectangle: -29.725,-45.9 -26.975,-43.15
  rectangle: 4.4,-3.35 7.15,-0.6
  rectangle: 26.9,-54.1 29.65,-51.35
BottomSolder:
  rectangle: 13.575,-3.325 21.5,-0.575
  rectangle: 21.4,-3.325 24.15,-0.575
  rectangle: -29.725,-45.9 -26.975,-43.15
  rectangle: 4.4,-3.35 7.15,-0.6
  rectangle: 26.9,-54.1 29.65,-51.35
Mechanical 1:
  drawing of 570 lines, arcs and shapes, not listed